# Altium PCB ADAPTONE_PCB_COPY.PcbDoc (part 5 of 11)
Units mil, origin at the board's own origin, x right, y up, seen from the top; angles counter-clockwise.
Board outline 10236.22 x 6701.71 mil, 4 copper layers (Top Layer, GND, Internal Plane 2, Bottom Layer), stack 30.2 mil thick; 1794 components, 935 nets, 4745 pads, 575 vias.
Unrouted connection lines stored in the file: 997.
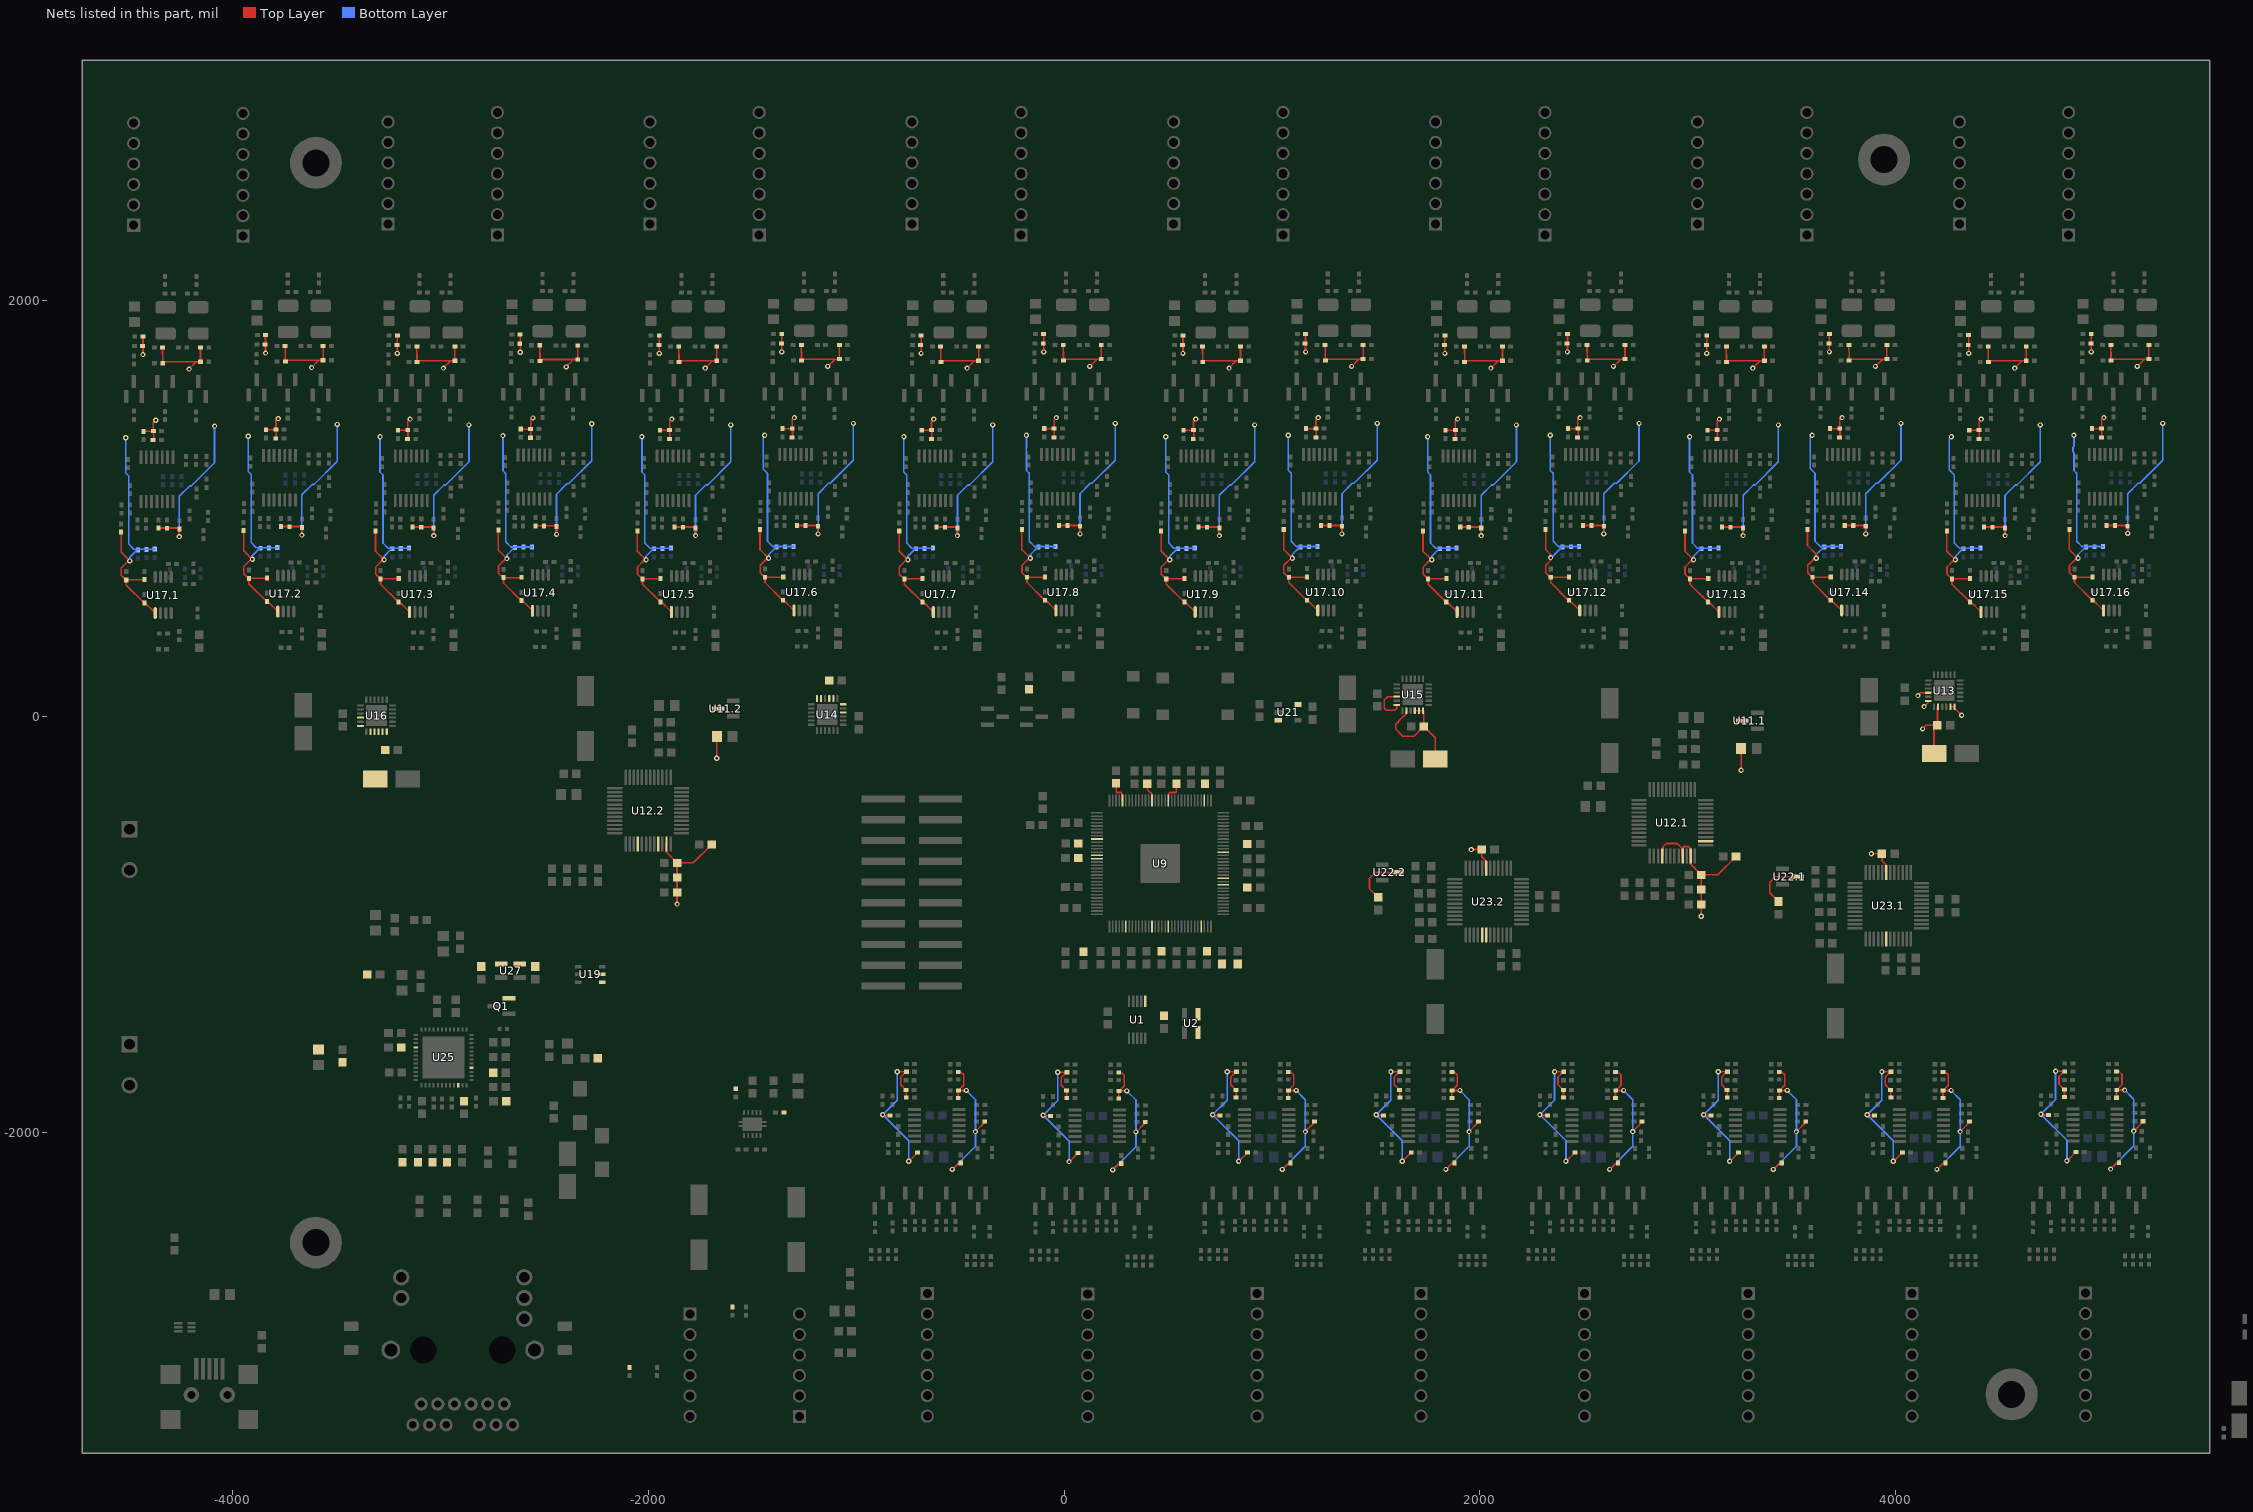
[diagram p7: the nets of this part, all layers, seen from the top]

## Via types
v1: diameter 25, hole 12, Top Layer to Bottom Layer, 566 vias
v2: diameter 19.68, hole 7.87, Top Layer to Bottom Layer, 9 vias

## Nets (pads, with @x,y where several pads share a name; then routed paths per layer and width w, separated by ;. In a path a pad name is that pad's centre, name@x,y a point inside that pad or via, vN(x,y) a via of type N, cw(c..) or ccw(c..) an arc to the next point about the centre after c; other vN are vias at no path point) (continued)
+2V5: C11.1 C13.2 C63.1.2 C63.2.2 C63.3.2 C63.4.2 C63.5.2 C63.6.2 C63.7.2 C63.8.2 C63.9.2 C63.10.2 C63.11.2 C63.12.2 C63.13.2 C63.14.2 C63.15.2 C63.16.2 C65.1.2 C65.2.2 C65.3.2 C65.4.2 C65.5.2 C65.6.2 C65.7.2 C65.8.2 C65.9.2 C65.10.2 C65.11.2 C65.12.2 C65.13.2 C65.14.2 C65.15.2 C65.16.2 C73.1.1 C73.2.1 C73.3.1 C73.4.1 C73.5.1 C73.6.1 C73.7.1 C73.8.1 C73.9.1 C73.10.1 C73.11.1 C73.12.1 C73.13.1 C73.14.1 C73.15.1 C73.16.1 C74.1.2 C74.2.2 C74.3.2 C74.4.2 C74.5.2 C74.6.2 C74.7.2 C74.8.2 C74.9.2 C74.10.2 C74.11.2 C74.12.2 C74.13.2 C74.14.2 C74.15.2 C74.16.2 C76.1.1 C76.2.1 C76.3.1 C76.4.1 C76.5.1 C76.6.1 C76.7.1 C76.8.1 C76.9.1 C76.10.1 C76.11.1 C76.12.1 C76.13.1 C76.14.1 C76.15.1 C76.16.1 C77.1.1 C77.2.1 C77.3.1 C77.4.1 C77.5.1 C77.6.1 C77.7.1 C77.8.1 C77.9.1 C77.10.1 C77.11.1 C77.12.1 C77.13.1 C77.14.1 C77.15.1 C77.16.1 C78.1.1 C78.2.1 C78.3.1 C78.4.1 C78.5.1 C78.6.1 C78.7.1 C78.8.1 C78.9.1 C78.10.1 C78.11.1 C78.12.1 C78.13.1 C78.14.1 C78.15.1 C78.16.1 C81.1.1 C81.2.1 C81.3.1 C81.4.1 C81.5.1 C81.6.1 C81.7.1 C81.8.1 C81.9.1 C81.10.1 C81.11.1 C81.12.1 C81.13.1 C81.14.1 C81.15.1 C81.16.1 C84.1.2 C84.2.2 C84.3.2 C84.4.2 C84.5.2 C84.6.2 C84.7.2 C84.8.2 C84.9.2 C84.10.2 C84.11.2 C84.12.2 C84.13.2 C84.14.2 C84.15.2 C84.16.2 C140.1.2 C140.2.2 C140.3.2 C140.4.2 C140.5.2 C140.6.2 C140.7.2 C140.8.2 C147.1.2 C147.2.2 C147.3.2 C147.4.2 C147.5.2 C147.6.2 C147.7.2 C147.8.2 R34.1.1 R34.2.1 R34.3.1 R34.4.1 R34.5.1 R34.6.1 R34.7.1 R34.8.1 R34.9.1 R34.10.1 R34.11.1 R34.12.1 R34.13.1 R34.14.1 R34.15.1 R34.16.1 R38.1.2 R38.2.2 R38.3.2 R38.4.2 R38.5.2 R38.6.2 R38.7.2 R38.8.2 R38.9.2 R38.10.2 R38.11.2 R38.12.2 R38.13.2 R38.14.2 R38.15.2 R38.16.2 R41.1.1 R41.2.1 R41.3.1 R41.4.1 R41.5.1 R41.6.1 R41.7.1 R41.8.1 R41.9.1 R41.10.1 R41.11.1 R41.12.1 R41.13.1 R41.14.1 R41.15.1 R41.16.1 R42.1.1 R42.2.1 R42.3.1 R42.4.1 R42.5.1 R42.6.1 R42.7.1 R42.8.1 R42.9.1 R42.10.1 R42.11.1 R42.12.1 R42.13.1 R42.14.1 R42.15.1 R42.16.1 R48.1.2 R48.2.2 R48.3.2 R48.4.2 R48.5.2 R48.6.2 R48.7.2 R48.8.2 R48.9.2 R48.10.2 R48.11.2 R48.12.2 R48.13.2 R48.14.2 R48.15.2 R48.16.2 R49.1.2 R49.2.2 R49.3.2 R49.4.2 R49.5.2 R49.6.2 R49.7.2 R49.8.2 R49.9.2 R49.10.2 R49.11.2 R49.12.2 R49.13.2 R49.14.2 R49.15.2 R49.16.2 R55.1.1 R55.2.1 R55.3.1 R55.4.1 R55.5.1 R55.6.1 R55.7.1 R55.8.1 R55.9.1 R55.10.1 R55.11.1 R55.12.1 R55.13.1 R55.14.1 R55.15.1 R55.16.1 R56.1.2 R56.2.2 R56.3.2 R56.4.2 R56.5.2 R56.6.2 R56.7.2 R56.8.2 R56.9.2 R56.10.2 R56.11.2 R56.12.2 R56.13.2 R56.14.2 R56.15.2 R56.16.2 R59.1.2 R59.2.2 R59.3.2 R59.4.2 R59.5.2 R59.6.2 R59.7.2 R59.8.2 R59.9.2 R59.10.2 R59.11.2 R59.12.2 R59.13.2 R59.14.2 R59.15.2 R59.16.2 R62.1.1 R62.2.1 R62.3.1 R62.4.1 R62.5.1 R62.6.1 R62.7.1 R62.8.1 R62.9.1 R62.10.1 R62.11.1 R62.12.1 R62.13.1 R62.14.1 R62.15.1 R62.16.1 R84.1.2 R84.2.2 R84.3.2 R84.4.2 R84.5.2 R84.6.2 R84.7.2 R84.8.2 R88.1.1 R88.2.1 R88.3.1 R88.4.1 R88.5.1 R88.6.1 R88.7.1 R88.8.1 R89.1.1 R89.2.1 R89.3.1 R89.4.1 R89.5.1 R89.6.1 R89.7.1 R89.8.1 R94.1.2 R94.2.2 R94.3.2 R94.4.2 R94.5.2 R94.6.2 R94.7.2 R94.8.2 R98.1.2 R98.2.2 R98.3.2 R98.4.2 R98.5.2 R98.6.2 R98.7.2 R98.8.2 R102.1.1 R102.2.1 R102.3.1 R102.4.1 R102.5.1 R102.6.1 R102.7.1 R102.8.1 R103.1.1 R103.2.1 R103.3.1 R103.4.1 R103.5.1 R103.6.1 R103.7.1 R103.8.1 R108.1.2 R108.2.2 R108.3.2 R108.4.2 R108.5.2 R108.6.2 R108.7.2 R108.8.2 R129.2 R131.2 R132.2 R134.2 TP11.1 TP11.2 U5.1 U17.1.5 U17.2.5 U17.3.5 U17.4.5 U17.5.5 U17.6.5 U17.7.5 U17.8.5 U17.9.5 U17.10.5 U17.11.5 U17.12.5 U17.13.5 U17.14.5 U17.15.5 U17.16.5 | length 55214.1
  Top Layer w8: R41.1.1@-4536.55,887.35 -4536.55,791 v1(-4494.91,749.36) -4501.37,749.36 -4535.84,714.89 -4535.84,679.67 -4514.08,657.91 R34.1.1@-4512,657.91 ; v1(-4431.45,1741.76) C84.1.2@-4431.45,1828.03 ; R42.1.1@-4429.03,554.72 U17.1.5@-4372.41,498.1 ; R55.1.1@-4428.55,1372.46 -4382.55,1372.46 R48.1.2@-4381.24,1373.78 ; R42.1.1@-4424.84,547.23 -4426.92,547.23 -4512,632.31 R34.1.1@-4512,657.91 ; C63.1.2@-4424.55,659.72 -4426.36,657.91 R34.1.1@-4512,657.91 ; C73.1.1@-4380.24,1332.78 -4380.24,1372.78 R48.1.2@-4381.24,1373.78 ; v1(-4370.44,1426.03) -4373.3,1426.03 -4381.24,1418.09 R48.1.2@-4381.24,1373.78 ; R62.1.1@-4357.55,907.03 R56.1.2@-4260.55,907.03 ; C74.1.2@-4337.36,1776.03 -4336.43,1708.55 -4337.1,1709.21 R49.1.2@-4336.31,1699.91 -4329.19,1707.03 -4174.88,1707.03 ; v1(-4256.55,866.03) R56.1.2@-4256.55,903.03 ; v1(-4210,1671.91) -4174.88,1707.03 ; C65.1.2@-4154.53,1775.04 R38.1.2@-4154.53,1707.03 -4174.88,1707.03 ; R41.2.1@-3946.88,894.82 -3946.88,798.48 v1(-3905.24,756.84) -3911.7,756.84 -3946.17,722.37 -3946.17,687.15 -3924.41,665.39 R34.2.1@-3922.33,665.39 ; v1(-3841.78,1749.23) C84.2.2@-3841.78,1835.51 ; R42.2.1@-3839.35,562.2 U17.2.5@-3782.74,505.58 ; R55.2.1@-3838.88,1379.94 -3792.88,1379.94 R48.2.2@-3791.57,1381.25 ; R42.2.1@-3835.16,554.7 -3837.25,554.7 -3922.33,639.78 R34.2.1@-3922.33,665.39 ; C63.2.2@-3834.88,667.2 -3836.69,665.39 R34.2.1@-3922.33,665.39 ; C73.2.1@-3790.57,1340.25 -3790.57,1380.25 R48.2.2@-3791.57,1381.25 ; v1(-3780.77,1433.51) -3783.63,1433.51 -3791.57,1425.57 R48.2.2@-3791.57,1381.25 ; R62.2.1@-3767.88,914.51 R56.2.2@-3670.88,914.51 ; C74.2.2@-3747.69,1783.51 -3746.76,1716.02 -3747.43,1716.69 R49.2.2@-3746.64,1707.39 -3739.52,1714.51 -3585.21,1714.51 ; v1(-3666.88,873.51) R56.2.2@-3666.88,910.51 ; v1(-3620.33,1679.39) -3585.21,1714.51 ; C65.2.2@-3564.85,1782.52 R38.2.2@-3564.85,1714.51 -3585.21,1714.51 ; R41.3.1@-3312.97,892.49 -3312.97,796.14 v1(-3271.33,754.5) -3277.79,754.5 -3312.26,720.03 -3312.26,684.81 -3290.5,663.05 R34.3.1@-3288.42,663.05 ; v1(-3207.87,1746.9) C84.3.2@-3207.87,1833.17 ; R42.3.1@-3205.44,559.86 U17.3.5@-3148.83,503.24 ; R55.3.1@-3204.97,1377.6 -3158.97,1377.6 R48.3.2@-3157.66,1378.92 ; R42.3.1@-3201.25,552.36 -3203.34,552.36 -3288.42,637.45 R34.3.1@-3288.42,663.05 ; C63.3.2@-3200.97,664.86 -3202.78,663.05 R34.3.1@-3288.42,663.05 ; C73.3.1@-3156.66,1337.92 -3156.66,1377.92 R48.3.2@-3157.66,1378.92 ; v1(-3146.86,1431.17) -3149.72,1431.17 -3157.66,1423.23 R48.3.2@-3157.66,1378.92 ; R62.3.1@-3133.97,912.17 R56.3.2@-3036.97,912.17 ; C74.3.2@-3113.78,1781.17 -3112.85,1713.69 -3113.52,1714.35 R49.3.2@-3112.73,1705.05 -3105.61,1712.17 -2951.3,1712.17 ; v1(-3032.97,871.17) R56.3.2@-3032.97,908.17 ; v1(-2986.42,1677.05) -2951.3,1712.17 ; C65.3.2@-2930.94,1780.18 R38.3.2@-2930.94,1712.17 -2951.3,1712.17 ; R41.4.1@-2721.94,898.08 -2721.94,801.73 v1(-2680.3,760.09) -2686.76,760.09 -2721.23,725.62 -2721.23,690.4 -2699.47,668.64 R34.4.1@-2697.39,668.64 ; v1(-2616.83,1752.49) C84.4.2@-2616.83,1838.76 ; R42.4.1@-2614.41,565.45 U17.4.5@-2557.8,508.83 ; R55.4.1@-2613.94,1383.19 -2567.94,1383.19 R48.4.2@-2566.63,1384.51 ; R42.4.1@-2610.22,557.96 -2612.31,557.96 -2697.39,643.04 R34.4.1@-2697.39,668.64 ; C63.4.2@-2609.94,670.45 -2611.75,668.64 R34.4.1@-2697.39,668.64 ; C73.4.1@-2565.63,1343.51 -2565.63,1383.51 R48.4.2@-2566.63,1384.51 ; v1(-2555.83,1436.76) -2558.68,1436.76 -2566.63,1428.82 R48.4.2@-2566.63,1384.51 ; R62.4.1@-2542.94,917.76 R56.4.2@-2445.94,917.76 ; C74.4.2@-2522.75,1786.76 -2521.82,1719.28 -2522.48,1719.94 R49.4.2@-2521.7,1710.64 -2514.58,1717.76 -2360.26,1717.76 ; v1(-2441.94,876.76) R56.4.2@-2441.94,913.76 ; v1(-2395.39,1682.64) -2360.26,1717.76 ; C65.4.2@-2339.91,1785.77 R38.4.2@-2339.91,1717.76 -2360.26,1717.76 ; R41.5.1@-2053.13,892.49 -2053.13,796.14 v1(-2011.49,754.5) -2017.95,754.5 -2052.42,720.03 -2052.42,684.81 -2030.66,663.05 R34.5.1@-2028.58,663.05 ; v1(-1948.02,1746.9) C84.5.2@-1948.02,1833.17 ; R42.5.1@-1945.6,559.86 U17.5.5@-1888.99,503.24 ; R55.5.1@-1945.13,1377.6 -1899.13,1377.6 R48.5.2@-1897.82,1378.92 ; R42.5.1@-1941.41,552.36 -1943.49,552.36 -2028.58,637.45 R34.5.1@-2028.58,663.05 ; C63.5.2@-1941.13,664.86 -1942.94,663.05 R34.5.1@-2028.58,663.05 ; C73.5.1@-1896.82,1337.92 -1896.82,1377.92 R48.5.2@-1897.82,1378.92 ; v1(-1887.02,1431.17) -1889.87,1431.17 -1897.82,1423.23 R48.5.2@-1897.82,1378.92 ; R62.5.1@-1874.13,912.17 R56.5.2@-1777.13,912.17 ; C74.5.2@-1853.94,1781.17 -1853.01,1713.69 -1853.67,1714.35 R49.5.2@-1852.89,1705.05 -1845.77,1712.17 -1691.45,1712.17 ; v1(-1773.13,871.17) R56.5.2@-1773.13,908.17 ; v1(-1726.58,1677.05) -1691.45,1712.17 ; C65.5.2@-1671.1,1780.18 R38.5.2@-1671.1,1712.17 -1691.45,1712.17 ; R41.6.1@-1463.46,899.96 -1463.46,803.61 v1(-1421.82,761.97) -1428.28,761.97 -1462.75,727.51 -1462.75,692.29 -1440.99,670.53 R34.6.1@-1438.9,670.53 ; v1(-1358.35,1754.37) C84.6.2@-1358.35,1840.65 ; R42.6.1@-1355.93,567.33 U17.6.5@-1299.32,510.72 ; R55.6.1@-1355.46,1385.08 -1309.46,1385.08 R48.6.2@-1308.14,1386.39 ; R42.6.1@-1351.74,559.84 -1353.82,559.84 -1438.9,644.92 R34.6.1@-1438.9,670.53 ; C63.6.2@-1351.46,672.33 -1353.26,670.53 R34.6.1@-1438.9,670.53 ; C73.6.1@-1307.14,1345.39 -1307.14,1385.39 R48.6.2@-1308.14,1386.39 ; v1(-1297.35,1438.65) -1300.2,1438.65 -1308.14,1430.71 R48.6.2@-1308.14,1386.39 ; R62.6.1@-1284.46,919.65 R56.6.2@-1187.46,919.65 ; C74.6.2@-1264.26,1788.65 -1263.34,1721.16 -1264,1721.83 R49.6.2@-1263.22,1712.53 -1256.1,1719.65 -1101.78,1719.65 ; v1(-1183.46,878.65) R56.6.2@-1183.46,915.65 ; v1(-1136.9,1684.53) -1101.78,1719.65 ; C65.6.2@-1081.43,1787.66 R38.6.2@-1081.43,1719.65 -1101.78,1719.65 ; v1(-873.39,-1915.28) -870.21,-1918.46 R84.1.2@-837.76,-1918.46 ; v1(-803.08,-1708.46) R88.1.1@-761.22,-1708.46 ; R41.7.1@-793.29,892.49 -793.29,796.14 v1(-751.65,754.5) -758.11,754.5 -792.58,720.03 -792.58,684.81 -770.82,663.05 R34.7.1@-768.73,663.05 ; R89.1.1@-759.76,-1832.46 -759.76,-1797.46 C140.1.2@-760.76,-1796.46 -786.57,-1770.65 -786.57,-1733.82 R88.1.1@-761.22,-1708.46 ; R88.1.1@-758.76,-1708.46 R88.1.1@-761.22,-1708.46 ; v1(-748.08,-2138.46) -746.79,-2138.46 R94.1.2@-704.76,-2096.43 ; v1(-688.18,1746.9) C84.7.2@-688.18,1833.17 ; R42.7.1@-685.76,559.86 U17.7.5@-629.14,503.24 ; R55.7.1@-685.29,1377.6 -639.29,1377.6 R48.7.2@-637.97,1378.92 ; R42.7.1@-681.57,552.36 -683.65,552.36 -768.73,637.45 R34.7.1@-768.73,663.05 ; C63.7.2@-681.29,664.86 -683.09,663.05 R34.7.1@-768.73,663.05 ; C73.7.1@-636.97,1337.92 -636.97,1377.92 R48.7.2@-637.97,1378.92 ; v1(-627.18,1431.17) -630.03,1431.17 -637.97,1423.23 R48.7.2@-637.97,1378.92 ; R62.7.1@-614.29,912.17 R56.7.2@-517.29,912.17 ; C74.7.2@-594.09,1781.17 -593.17,1713.69 -593.83,1714.35 R49.7.2@-593.05,1705.05 -585.93,1712.17 -431.61,1712.17 ; v1(-538.08,-2178.46) -507.76,-2148.15 R108.1.2@-497.51,-2148.15 ; v1(-513.29,871.17) R56.7.2@-513.29,908.17 ; R103.1.1@-509.39,-1835.46 -509.39,-1799.46 C147.1.2@-508.39,-1798.46 ; R102.1.1@-509.39,-1709.46 -497.51,-1709.46 -483.58,-1723.39 -483.58,-1773.65 C147.1.2@-508.39,-1798.46 ; v1(-470.61,-1798.46) C147.1.2@-508.39,-1798.46 ; v1(-466.73,1677.05) -431.61,1712.17 ; v1(-426.73,-1995.98) -382.01,-1951.26 R98.1.2@-382.01,-1948.46 ; C65.7.2@-411.26,1780.18 R38.7.2@-411.26,1712.17 -431.61,1712.17 ; R41.8.1@-203.62,899.96 -203.62,803.61 v1(-161.98,761.97) -168.44,761.97 -202.9,727.51 -202.9,692.29 -181.14,670.53 R34.8.1@-179.06,670.53 ; v1(-101.31,-1917.36) -98.13,-1920.54 R84.2.2@-65.69,-1920.54 ; v1(-98.51,1754.37) C84.8.2@-98.51,1840.65 ; R42.8.1@-96.09,567.33 U17.8.5@-39.47,510.72 ; R55.8.1@-95.62,1385.08 -49.62,1385.08 R48.8.2@-48.3,1386.39 ; R42.8.1@-91.9,559.84 -93.98,559.84 -179.06,644.92 R34.8.1@-179.06,670.53 ; C63.8.2@-91.62,672.33 -93.42,670.53 R34.8.1@-179.06,670.53 ; C73.8.1@-47.3,1345.39 -47.3,1385.39 R48.8.2@-48.3,1386.39 ; v1(-37.5,1438.65) -40.36,1438.65 -48.3,1430.71 R48.8.2@-48.3,1386.39 ; v1(-31,-1710.54) R88.2.1@10.86,-1710.54 ; R62.8.1@-24.62,919.65 R56.8.2@72.38,919.65 ; C74.8.2@-4.42,1788.65 -3.49,1721.16 -4.16,1721.83 R49.8.2@-3.38,1712.53 3.75,1719.65 158.06,1719.65 ; R89.2.1@12.32,-1834.54 12.32,-1799.54 C140.2.2@11.31,-1798.54 -14.5,-1772.73 -14.5,-1735.9 R88.2.1@10.86,-1710.54 ; R88.2.1@13.32,-1710.54 R88.2.1@10.86,-1710.54 ; v1(24,-2140.54) 25.28,-2140.54 R94.2.2@67.31,-2098.51 ; v1(76.38,878.65) R56.8.2@76.38,915.65 ; v1(122.94,1684.53) 158.06,1719.65 ; C65.8.2@178.41,1787.66 R38.8.2@178.41,1719.65 158.06,1719.65 ; v1(234,-2180.54) 264.31,-2150.23 R108.2.2@274.57,-2150.23 ; R103.2.1@262.69,-1837.54 262.69,-1801.54 C147.2.2@263.69,-1800.54 ; R102.2.1@262.69,-1711.54 274.57,-1711.54 288.5,-1725.47 288.5,-1775.73 C147.2.2@263.69,-1800.54 ; v1(301.47,-1800.54) C147.2.2@263.69,-1800.54 ; v1(345.34,-1998.06) 390.07,-1953.34 R98.2.2@390.07,-1950.54 ; R41.9.1@466.56,892.49 466.56,796.14 v1(508.19,754.5) 501.74,754.5 467.27,720.03 467.27,684.81 489.03,663.05 R34.9.1@491.11,663.05 ; v1(571.66,1746.9) C84.9.2@571.66,1833.17 ; R42.9.1@574.08,559.86 U17.9.5@630.7,503.24 ; R55.9.1@574.56,1377.6 620.56,1377.6 R48.9.2@621.87,1378.92 ; R42.9.1@578.27,552.36 576.19,552.36 491.11,637.45 R34.9.1@491.11,663.05 ; C63.9.2@578.56,664.86 576.75,663.05 R34.9.1@491.11,663.05 ; C73.9.1@622.87,1337.92 622.87,1377.92 R48.9.2@621.87,1378.92 ; v1(632.67,1431.17) 629.81,1431.17 621.87,1423.23 R48.9.2@621.87,1378.92 ; R62.9.1@645.56,912.17 R56.9.2@742.56,912.17 ; C74.9.2@665.75,1781.17 666.68,1713.69 666.01,1714.35 R49.9.2@666.79,1705.05 673.92,1712.17 828.23,1712.17 ; v1(713.86,-1915.28) 717.04,-1918.46 R84.3.2@749.49,-1918.46 ; v1(746.56,871.17) R56.9.2@746.56,908.17 ; v1(784.18,-1708.46) R88.3.1@826.04,-1708.46 ; v1(793.11,1677.05) 828.23,1712.17 ; R89.3.1@827.49,-1832.46 827.49,-1797.46 C140.3.2@826.49,-1796.46 800.68,-1770.65 800.68,-1733.82 R88.3.1@826.04,-1708.46 ; R88.3.1@828.49,-1708.46 R88.3.1@826.04,-1708.46 ; v1(839.18,-2138.46) 840.46,-2138.46 R94.3.2@882.49,-2096.43 ; C65.9.2@848.58,1780.18 R38.9.2@848.58,1712.17 828.23,1712.17 ; v1(1049.18,-2178.46) 1079.49,-2148.15 R108.3.2@1089.74,-2148.15 ; R41.10.1@1056.23,899.96 1056.23,803.61 v1(1097.87,761.97) 1091.41,761.97 1056.94,727.51 1056.94,692.29 1078.7,670.53 R34.10.1@1080.78,670.53 ; R103.3.1@1077.86,-1835.46 1077.86,-1799.46 C147.3.2@1078.86,-1798.46 ; R102.3.1@1077.86,-1709.46 1089.74,-1709.46 1103.67,-1723.39 1103.67,-1773.65 C147.3.2@1078.86,-1798.46 ; v1(1116.64,-1798.46) C147.3.2@1078.86,-1798.46 ; v1(1160.52,-1995.98) 1205.24,-1951.26 R98.3.2@1205.24,-1948.46 ; v1(1161.33,1754.37) C84.10.2@1161.33,1840.65 ; R42.10.1@1163.76,567.33 U17.10.5@1220.37,510.72 ; R55.10.1@1164.23,1385.08 1210.23,1385.08 R48.10.2@1211.54,1386.39 ; R42.10.1@1167.95,559.84 1165.86,559.84 1080.78,644.92 R34.10.1@1080.78,670.53 ; C63.10.2@1168.23,672.33 1166.42,670.53 R34.10.1@1080.78,670.53 ; C73.10.1@1212.54,1345.39 1212.54,1385.39 R48.10.2@1211.54,1386.39 ; v1(1222.34,1438.65) 1219.48,1438.65 1211.54,1430.71 R48.10.2@1211.54,1386.39 ; R62.10.1@1235.23,919.65 R56.10.2@1332.23,919.65 ; C74.10.2@1255.42,1788.65 1256.35,1721.16 1255.68,1721.83 R49.10.2@1256.47,1712.53 1263.59,1719.65 1417.9,1719.65 ; v1(1336.23,878.65) R56.10.2@1336.23,915.65 ; v1(1382.78,1684.53) 1417.9,1719.65 ; C65.10.2@1438.25,1787.66 R38.10.2@1438.25,1719.65 1417.9,1719.65 ; v1(1501.26,-1915.28) 1504.44,-1918.46 R84.4.2@1536.89,-1918.46 ; v1(1571.58,-1708.46) R88.4.1@1613.44,-1708.46 ; R89.4.1@1614.89,-1832.46 1614.89,-1797.46 C140.4.2@1613.89,-1796.46 1588.08,-1770.65 1588.08,-1733.82 R88.4.1@1613.44,-1708.46 ; R88.4.1@1615.89,-1708.46 R88.4.1@1613.44,-1708.46 ; v1(1626.58,-2138.46) 1627.86,-2138.46 R94.4.2@1669.89,-2096.43 ; R41.11.1@1726.4,892.49 1726.4,796.14 v1(1768.04,754.5) 1761.58,754.5 1727.11,720.03 1727.11,684.81 1748.87,663.05 R34.11.1@1750.95,663.05 ; v1(1831.5,1746.9) C84.11.2@1831.5,1833.17 ; R42.11.1@1833.93,559.86 U17.11.5@1890.54,503.24 ; R55.11.1@1834.4,1377.6 1880.4,1377.6 R48.11.2@1881.71,1378.92 ; v1(1836.58,-2178.46) 1866.89,-2148.15 R108.4.2@1877.14,-2148.15 ; R42.11.1@1838.12,552.36 1836.03,552.36 1750.95,637.45 R34.11.1@1750.95,663.05 ; C63.11.2@1838.4,664.86 1836.59,663.05 R34.11.1@1750.95,663.05 ; R103.4.1@1865.26,-1835.46 1865.26,-1799.46 C147.4.2@1866.26,-1798.46 ; R102.4.1@1865.26,-1709.46 1877.14,-1709.46 1891.07,-1723.39 1891.07,-1773.65 C147.4.2@1866.26,-1798.46 ; C73.11.1@1882.71,1337.92 1882.71,1377.92 R48.11.2@1881.71,1378.92 ; v1(1892.51,1431.17) 1889.65,1431.17 1881.71,1423.23 R48.11.2@1881.71,1378.92 ; v1(1904.04,-1798.46) C147.4.2@1866.26,-1798.46 ; R62.11.1@1905.4,912.17 R56.11.2@2002.4,912.17 ; C74.11.2@1925.59,1781.17 1926.52,1713.69 1925.85,1714.35 R49.11.2@1926.64,1705.05 1933.76,1712.17 2088.07,1712.17 ; v1(1947.92,-1995.98) 1992.64,-1951.26 R98.4.2@1992.64,-1948.46 ; v1(2006.4,871.17) R56.11.2@2006.4,908.17 ; v1(2052.95,1677.05) 2088.07,1712.17 ; C65.11.2@2108.43,1780.18 R38.11.2@2108.43,1712.17 2088.07,1712.17 ; v1(2288.66,-1915.28) 2291.85,-1918.46 R84.5.2@2324.29,-1918.46 ; R41.12.1@2316.07,899.96 2316.07,803.61 2340,779.68 v1(2340,765) 2348.22,765 2340,756.78 2340,750.72 2316.78,727.51 2316.78,692.29 2338.54,670.53 R34.12.1@2340.62,670.53 ; v1(2358.98,-1708.46) R88.5.1@2400.84,-1708.46 ; R89.5.1@2402.29,-1832.46 2402.29,-1797.46 C140.5.2@2401.29,-1796.46 2375.48,-1770.65 2375.48,-1733.82 R88.5.1@2400.84,-1708.46 ; R88.5.1@2403.29,-1708.46 R88.5.1@2400.84,-1708.46 ; v1(2413.98,-2138.46) 2415.26,-2138.46 R94.5.2@2457.29,-2096.43 ; v1(2421.18,1754.37) C84.12.2@2421.18,1840.65 ; R42.12.1@2423.6,567.33 U17.12.5@2480.21,510.72 ; R55.12.1@2424.07,1385.08 2470.07,1385.08 R48.12.2@2471.38,1386.39 ; R42.12.1@2427.79,559.84 2425.71,559.84 2340.62,644.92 R34.12.1@2340.62,670.53 ; C63.12.2@2428.07,672.33 2426.26,670.53 R34.12.1@2340.62,670.53 ; C73.12.1@2472.38,1345.39 2472.38,1385.39 R48.12.2@2471.38,1386.39 ; v1(2482.18,1438.65) 2479.33,1438.65 2471.38,1430.71 R48.12.2@2471.38,1386.39 ; R62.12.1@2495.07,919.65 R56.12.2@2592.07,919.65 ; C74.12.2@2515.26,1788.65 2516.19,1721.16 2515.53,1721.83 R49.12.2@2516.31,1712.53 2523.43,1719.65 2677.75,1719.65 ; v1(2596.07,878.65) R56.12.2@2596.07,915.65 ; v1(2623.98,-2178.46) 2654.29,-2148.15 R108.5.2@2664.54,-2148.15 ; v1(2642.62,1684.53) 2677.75,1719.65 ; R103.5.1@2652.66,-1835.46 2652.66,-1799.46 C147.5.2@2653.66,-1798.46 ; R102.5.1@2652.66,-1709.46 2664.54,-1709.46 2678.48,-1723.39 2678.48,-1773.65 C147.5.2@2653.66,-1798.46 ; v1(2691.45,-1798.46) C147.5.2@2653.66,-1798.46 ; C65.12.2@2698.1,1787.66 R38.12.2@2698.1,1719.65 2677.75,1719.65 ; v1(2735.32,-1995.98) 2780.04,-1951.26 R98.5.2@2780.04,-1948.46 ; R41.13.1@2986.24,892.49 2986.24,796.14 v1(3027.88,754.5) 3021.42,754.5 2986.95,720.03 2986.95,684.81 3008.71,663.05 R34.13.1@3010.79,663.05 ; v1(3076.07,-1915.28) 3079.25,-1918.46 R84.6.2@3111.7,-1918.46 ; v1(3091.35,1746.9) C84.13.2@3091.35,1833.17 ; R42.13.1@3093.77,559.86 U17.13.5@3150.38,503.24 ; R55.13.1@3094.24,1377.6 3140.24,1377.6 R48.13.2@3141.55,1378.92 ; R42.13.1@3097.96,552.36 3095.88,552.36 3010.79,637.45 R34.13.1@3010.79,663.05 ; C63.13.2@3098.24,664.86 3096.43,663.05 R34.13.1@3010.79,663.05 ; C73.13.1@3142.55,1337.92 3142.55,1377.92 R48.13.2@3141.55,1378.92 ; v1(3146.38,-1708.46) R88.6.1@3188.24,-1708.46 ; v1(3152.35,1431.17) 3149.5,1431.17 3141.55,1423.23 R48.13.2@3141.55,1378.92 ; R62.13.1@3165.24,912.17 R56.13.2@3262.24,912.17 ; C74.13.2@3185.43,1781.17 3186.36,1713.69 3185.7,1714.35 R49.13.2@3186.48,1705.05 3193.6,1712.17 3347.92,1712.17 ; R89.6.1@3189.7,-1832.46 3189.7,-1797.46 C140.6.2@3188.7,-1796.46 3162.88,-1770.65 3162.88,-1733.82 R88.6.1@3188.24,-1708.46 ; R88.6.1@3190.7,-1708.46 R88.6.1@3188.24,-1708.46 ; v1(3201.38,-2138.46) 3202.66,-2138.46 R94.6.2@3244.7,-2096.43 ; v1(3266.24,871.17) R56.13.2@3266.24,908.17 ; v1(3312.79,1677.05) 3347.92,1712.17 ; C65.13.2@3368.27,1780.18 R38.13.2@3368.27,1712.17 3347.92,1712.17 ; v1(3411.38,-2178.46) 3441.7,-2148.15 R108.6.2@3451.95,-2148.15 ; R103.6.1@3440.07,-1835.46 3440.07,-1799.46 C147.6.2@3441.07,-1798.46 ; R102.6.1@3440.07,-1709.46 3451.95,-1709.46 3465.88,-1723.39 3465.88,-1773.65 C147.6.2@3441.07,-1798.46 ; v1(3478.85,-1798.46) C147.6.2@3441.07,-1798.46 ; v1(3522.72,-1995.98) 3567.45,-1951.26 R98.6.2@3567.45,-1948.46 ; R41.14.1@3575.91,899.96 3575.91,823.47 3617.55,781.83 v1(3617.55,761.97) 3611.09,761.97 3576.62,727.51 3576.62,692.29 3598.38,670.53 R34.14.1@3600.47,670.53 ; v1(3681.02,1754.37) C84.14.2@3681.02,1840.65 ; R42.14.1@3683.44,567.33 U17.14.5@3740.05,510.72 ; R55.14.1@3683.91,1385.08 3729.91,1385.08 R48.14.2@3731.23,1386.39 ; R42.14.1@3687.63,559.84 3685.55,559.84 3600.47,644.92 R34.14.1@3600.47,670.53 ; C63.14.2@3687.91,672.33 3686.11,670.53 R34.14.1@3600.47,670.53 ; C73.14.1@3732.23,1345.39 3732.23,1385.39 R48.14.2@3731.23,1386.39 ; v1(3742.02,1438.65) 3739.17,1438.65 3731.23,1430.71 R48.14.2@3731.23,1386.39 ; R62.14.1@3754.91,919.65 R56.14.2@3851.91,919.65 ; C74.14.2@3775.11,1788.65 3776.03,1721.16 3775.37,1721.83 R49.14.2@3776.15,1712.53 3783.27,1719.65 3937.59,1719.65 ; v1(3855.91,878.65) R56.14.2@3855.91,915.65 ; v1(3863.47,-1915.28) 3866.65,-1918.46 R84.7.2@3899.1,-1918.46 ; v1(3902.47,1684.53) 3937.59,1719.65 ; v1(3933.78,-1708.46) R88.7.1@3975.65,-1708.46 ; C65.14.2@3957.94,1787.66 R38.14.2@3957.94,1719.65 3937.59,1719.65 ; R89.7.1@3977.1,-1832.46 3977.1,-1797.46 C140.7.2@3976.1,-1796.46 3950.29,-1770.65 3950.29,-1733.82 R88.7.1@3975.65,-1708.46 ; R88.7.1@3978.1,-1708.46 R88.7.1@3975.65,-1708.46 ; v1(3988.78,-2138.46) 3990.07,-2138.46 R94.7.2@4032.1,-2096.43 ; v1(4198.78,-2178.46) 4229.1,-2148.15 R108.7.2@4239.35,-2148.15 ; R103.7.1@4227.47,-1835.46 4227.47,-1799.46 C147.7.2@4228.47,-1798.46 ; R102.7.1@4227.47,-1709.46 4239.35,-1709.46 4253.28,-1723.39 4253.28,-1773.65 C147.7.2@4228.47,-1798.46 ; R41.15.1@4246.08,892.49 4246.08,796.14 v1(4287.72,754.5) 4281.26,754.5 4246.79,720.03 4246.79,684.81 4268.55,663.05 R34.15.1@4270.64,663.05 ; v1(4266.25,-1798.46) C147.7.2@4228.47,-1798.46 ; v1(4310.13,-1995.98) 4354.85,-1951.26 R98.7.2@4354.85,-1948.46 ; v1(4351.19,1746.9) C84.15.2@4351.19,1833.17 ; R42.15.1@4353.61,559.86 U17.15.5@4410.23,503.24 ; R55.15.1@4354.08,1377.6 4400.08,1377.6 R48.15.2@4401.4,1378.92 ; R42.15.1@4357.8,552.36 4355.72,552.36 4270.64,637.45 R34.15.1@4270.64,663.05 ; C63.15.2@4358.08,664.86 4356.28,663.05 R34.15.1@4270.64,663.05 ; C73.15.1@4402.4,1337.92 4402.4,1377.92 R48.15.2@4401.4,1378.92 ; v1(4412.19,1431.17) 4409.34,1431.17 4401.4,1423.23 R48.15.2@4401.4,1378.92 ; R62.15.1@4425.08,912.17 R56.15.2@4522.08,912.17 ; C74.15.2@4445.28,1781.17 4446.2,1713.69 4445.54,1714.35 R49.15.2@4446.32,1705.05 4453.44,1712.17 4607.76,1712.17 ; v1(4526.08,871.17) R56.15.2@4526.08,908.17 ; v1(4572.64,1677.05) 4607.76,1712.17 ; C65.15.2@4628.11,1780.18 R38.15.2@4628.11,1712.17 4607.76,1712.17 ; v1(4698.69,-1913.2) 4701.87,-1916.38 R84.8.2@4734.31,-1916.38 ; v1(4769,-1706.38) R88.8.1@4810.86,-1706.38 ; R89.8.1@4812.32,-1830.38 4812.32,-1795.38 C140.8.2@4811.31,-1794.38 4785.5,-1768.57 4785.5,-1731.74 R88.8.1@4810.86,-1706.38 ; R88.8.1@4813.32,-1706.38 R88.8.1@4810.86,-1706.38 ; v1(4824,-2136.38) 4825.28,-2136.38 R94.8.2@4867.31,-2094.35 ; R41.16.1@4835.75,899.96 4835.75,803.61 v1(4877.39,761.97) 4870.93,761.97 4836.47,727.51 4836.47,692.29 4858.23,670.53 R34.16.1@4860.31,670.53 ; v1(4940.86,1754.37) C84.16.2@4940.86,1840.65 ; R42.16.1@4943.28,567.33 U17.16.5@4999.9,510.72 ; R55.16.1@4943.75,1385.08 4989.75,1385.08 R48.16.2@4991.07,1386.39 ; R42.16.1@4947.47,559.84 4945.39,559.84 4860.31,644.92 R34.16.1@4860.31,670.53 ; C63.16.2@4947.76,672.33 4945.95,670.53 R34.16.1@4860.31,670.53 ; C73.16.1@4992.07,1345.39 4992.07,1385.39 R48.16.2@4991.07,1386.39 ; v1(5001.87,1438.65) 4999.01,1438.65 4991.07,1430.71 R48.16.2@4991.07,1386.39 ; R62.16.1@5014.75,919.65 R56.16.2@5111.75,919.65 ; v1(5034,-2176.38) 5064.31,-2146.06 R108.8.2@5074.57,-2146.06 ; C74.16.2@5034.95,1788.65 5035.88,1721.16 5035.21,1721.83 R49.16.2@5035.99,1712.53 5043.12,1719.65 5197.43,1719.65 ; R103.8.1@5062.69,-1833.38 5062.69,-1797.38 C147.8.2@5063.69,-1796.38 ; R102.8.1@5062.69,-1707.38 5074.57,-1707.38 5088.5,-1721.31 5088.5,-1771.57 C147.8.2@5063.69,-1796.38 ; v1(5101.47,-1796.38) C147.8.2@5063.69,-1796.38 ; R56.16.2@5115.75,915.65 5116.35,915.06 v1(5116.35,881.59) ; v1(5145.34,-1993.9) 5190.07,-1949.17 R98.8.2@5190.07,-1946.38 ; v1(5162.31,1684.53) 5197.43,1719.65 ; C65.16.2@5217.78,1787.66 R38.16.2@5217.78,1719.65 5197.43,1719.65
  Bottom Layer w8: v1(-4514.44,1341.2) -4514.44,1281.87 -4514.5,1281.82 -4514.5,1264.01 -4514.44,1263.95 -4514.44,1171.64 -4500.44,1157.64 -4500.44,830.36 -4475.68,805.6 C78.1.1@-4375,805.6 ; v1(-4494.91,749.36) -4494.91,767 -4459.37,802.55 C76.1.1@-4456.08,802.55 ; v1(-4256.55,866.03) -4256.55,1059.61 -4206.84,1109.32 -4198.61,1109.32 -4087,1220.93 v1@-4087,1396.91 ; v1(-3924.77,1348.68) -3924.77,1289.35 -3924.83,1289.29 -3924.83,1271.48 -3924.77,1271.43 -3924.77,1179.12 -3910.77,1165.12 -3910.77,837.84 -3886.01,813.07 C78.2.1@-3785.33,813.07 ; v1(-3905.24,756.84) -3905.24,774.47 -3869.69,810.02 C76.2.1@-3866.4,810.02 ; v1(-3666.88,873.51) -3666.88,1067.08 -3617.17,1116.79 -3608.94,1116.79 -3497.33,1228.41 v1@-3497.33,1404.39 ; v1(-3290.86,1346.34) -3290.86,1287.01 -3290.92,1286.96 -3290.92,1269.14 -3290.86,1269.09 -3290.86,1176.78 -3276.86,1162.78 -3276.86,835.5 -3252.1,810.73 C78.3.1@-3151.42,810.73 ; v1(-3271.33,754.5) -3271.33,772.13 -3235.78,807.68 C76.3.1@-3232.49,807.68 ; v1(-3032.97,871.17) -3032.97,1064.75 -2983.26,1114.46 -2975.03,1114.46 -2863.42,1226.07 v1@-2863.42,1402.05 ; v1(-2699.83,1351.93) -2699.83,1292.6 -2699.89,1292.55 -2699.89,1274.73 -2699.83,1274.68 -2699.83,1182.37 -2685.83,1168.37 -2685.83,841.09 -2661.07,816.32 C78.4.1@-2560.39,816.32 ; v1(-2680.3,760.09) -2680.3,777.72 -2644.75,813.27 C76.4.1@-2641.46,813.27 ; v1(-2441.94,876.76) -2441.94,1070.34 -2392.23,1120.05 -2384,1120.05 -2272.39,1231.66 v1@-2272.39,1407.64 ; v1(-2031.02,1346.34) -2031.02,1287.01 -2031.08,1286.96 -2031.08,1269.14 -2031.02,1269.09 -2031.02,1176.78 -2017.02,1162.78 -2017.02,835.5 -1992.26,810.73 C78.5.1@-1891.58,810.73 ; v1(-2011.49,754.5) -2011.49,772.13 -1975.94,807.68 C76.5.1@-1972.65,807.68 ; v1(-1773.13,871.17) -1773.13,1064.75 -1723.42,1114.46 -1715.19,1114.46 -1603.58,1226.07 v1@-1603.58,1402.05 ; v1(-1441.35,1353.81) -1448,1347.16 -1448,1190.91 -1427.35,1170.25 -1427.35,842.97 -1402.58,818.21 C78.6.1@-1301.9,818.21 ; v1(-1421.82,761.97) -1421.82,779.61 -1386.27,815.16 C76.6.1@-1382.98,815.16 ; v1(-1183.46,878.65) -1183.46,1072.22 -1133.75,1121.93 -1125.52,1121.93 -1013.9,1233.54 v1@-1013.9,1409.53 ; v1(-803.08,-1708.46) -803.08,-1844.96 v1(-873.39,-1915.28) -748.08,-2040.59 v1(-748.08,-2138.46) ; v1(-771.18,1346.34) -771.18,1287.01 -771.23,1286.96 -771.23,1269.14 -771.18,1269.09 -771.18,1176.78 -757.18,1162.78 -757.18,835.5 -732.41,810.73 C78.7.1@-631.73,810.73 ; v1(-751.65,754.5) -751.65,772.13 -716.1,807.68 C76.7.1@-712.81,807.68 ; v1(-538.08,-2178.46) -426.73,-2067.12 v1(-426.73,-1995.98) -426.73,-1842.34 v1(-470.61,-1798.46) ; v1(-513.29,871.17) -513.29,1064.75 -463.58,1114.46 -455.35,1114.46 -343.73,1226.07 v1@-343.73,1402.05 ; v1(-181.5,1353.81) -181.5,1294.49 -181.56,1294.43 -181.56,1276.62 -181.5,1276.56 -181.5,1184.25 -167.5,1170.25 -167.5,842.97 -142.74,818.21 C78.8.1@-42.06,818.21 ; v1(-161.98,761.97) -161.98,779.61 -126.43,815.16 C76.8.1@-123.14,815.16 ; v1(-31,-1710.54) -31,-1847.05 v1(-101.31,-1917.36) 24,-2042.68 v1(24,-2140.54) ; v1(76.38,878.65) 76.38,1072.22 126.09,1121.93 134.33,1121.93 245.94,1233.54 v1@245.94,1409.53 ; v1(234,-2180.54) 345.34,-2069.2 v1(345.34,-1998.06) 345.34,-1844.42 v1(301.47,-1800.54) ; v1(488.67,1346.34) 488.67,1287.01 488.61,1286.96 488.61,1269.14 488.67,1269.09 488.67,1176.78 502.67,1162.78 502.67,835.5 527.43,810.73 C78.9.1@628.11,810.73 ; v1(508.19,754.5) 508.19,772.13 543.74,807.68 C76.9.1@547.03,807.68 ; v1(746.56,871.17) 746.56,1064.75 796.26,1114.46 804.5,1114.46 916.11,1226.07 v1@916.11,1402.05 ; v1(784.18,-1708.46) 784.18,-1844.96 v1(713.86,-1915.28) 839.18,-2040.59 v1(839.18,-2138.46) ; v1(1049.18,-2178.46) 1160.52,-2067.12 v1(1160.52,-1995.98) 1160.52,-1842.34 v1(1116.64,-1798.46) ; v1(1078.34,1353.81) 1078.34,1294.49 1078.28,1294.43 1078.28,1276.62 1078.34,1276.56 1078.34,1184.25 1092.34,1170.25 1092.34,842.97 1117.1,818.21 C78.10.1@1217.78,818.21 ; v1(1097.87,761.97) 1097.87,779.61 1133.42,815.16 C76.10.1@1136.71,815.16 ; v1(1336.23,878.65) 1336.23,1072.22 1385.94,1121.93 1394.17,1121.93 1505.78,1233.54 v1@1505.78,1409.53 ; v1(1571.58,-1708.46) 1571.58,-1844.96 v1(1501.26,-1915.28) 1626.58,-2040.59 v1(1626.58,-2138.46) ; v1(1748.51,1346.34) 1748.51,1287.01 1748.45,1286.96 1748.45,1269.14 1748.51,1269.09 1748.51,1176.78 1762.51,1162.78 1762.51,835.5 1787.27,810.73 C78.11.1@1887.95,810.73 ; v1(1768.04,754.5) 1768.04,772.13 1803.59,807.68 C76.11.1@1806.88,807.68 ; v1(1836.58,-2178.46) 1947.92,-2067.12 v1(1947.92,-1995.98) 1947.92,-1842.34 v1(1904.04,-1798.46) ; v1(2006.4,871.17) 2006.4,1064.75 2056.11,1114.46 2064.34,1114.46 2175.95,1226.07 v1@2175.95,1402.05 ; v1(2338.18,1353.81) 2338.18,1294.49 2338.12,1294.43 2338.12,1276.62 2338.18,1276.56 2338.18,1184.25 2352.18,1170.25 2352.18,842.97 2376.94,818.21 C78.12.1@2477.62,818.21 ; v1(2340,765) 2343.1,765 2393.26,815.16 C76.12.1@2396.55,815.16 ; v1(2358.98,-1708.46) 2358.98,-1844.96 v1(2288.66,-1915.28) 2413.98,-2040.59 v1(2413.98,-2138.46) ; v1(2596.07,878.65) 2596.07,1072.22 2645.78,1121.93 2657.66,1121.93 2765.62,1229.89 v1@2765.62,1409.53 ; v1(2623.98,-2178.46) 2735.32,-2067.12 v1(2735.32,-1995.98) 2735.32,-1842.34 v1(2691.45,-1798.46) ; v1(3008.35,1346.34) 3008.35,1287.01 3008.29,1286.96 3008.29,1269.14 3008.35,1269.09 3008.35,1176.78 3022.35,1162.78 3022.35,835.5 3047.11,810.73 C78.13.1@3147.79,810.73 ; v1(3027.88,754.5) 3027.88,772.13 3063.43,807.68 C76.13.1@3066.72,807.68 ; v1(3146.38,-1708.46) 3146.38,-1844.96 v1(3076.07,-1915.28) 3201.38,-2040.59 v1(3201.38,-2138.46) ; v1(3266.24,871.17) 3266.24,1064.75 3315.95,1114.46 3324.18,1114.46 3435.79,1226.07 v1@3435.79,1402.05 ; v1(3411.38,-2178.46) 3522.72,-2067.12 v1(3522.72,-1995.98) 3522.72,-1842.34 v1(3478.85,-1798.46) ; v1(3598.02,1353.81) 3589,1344.79 3589,1193.28 3612.02,1170.25 3612.02,842.97 3636.79,818.21 C78.14.1@3737.47,818.21 ; v1(3617.55,761.97) 3617.55,779.61 3653.1,815.16 C76.14.1@3656.39,815.16 ; v1(3855.91,878.65) 3855.91,1072.22 3905.62,1121.93 3913.85,1121.93 4025.47,1233.54 v1@4025.47,1409.53 ; v1(3933.78,-1708.46) 3933.78,-1844.96 v1(3863.47,-1915.28) 3988.78,-2040.59 v1(3988.78,-2138.46) ; v1(4198.78,-2178.46) 4310.13,-2067.12 v1(4310.13,-1995.98) 4310.13,-1842.34 v1(4266.25,-1798.46) ; v1(4268.19,1346.34) 4258,1336.14 4258,1186.97 4282.19,1162.78 4282.19,835.5 4306.96,810.73 C78.15.1@4407.64,810.73 ; v1(4287.72,754.5) 4287.72,772.13 4323.27,807.68 C76.15.1@4326.56,807.68 ; v1(4526.08,871.17) 4526.08,1064.75 4575.79,1114.46 4584.02,1114.46 4695.64,1226.07 v1@4695.64,1402.05 ; v1(4769,-1706.38) 4769,-1842.88 v1(4698.69,-1913.2) 4824,-2038.51 v1(4824,-2136.38) ; v1(4857.87,1353.81) 4857.87,1301.56 4852.81,1296.5 4852.81,1274.55 4857.87,1269.49 4857.87,1184.25 4871.87,1170.25 4871.87,842.97 4896.63,818.21 C78.16.1@4997.31,818.21 ; v1(4877.39,761.97) 4877.39,779.61 4912.94,815.16 C76.16.1@4916.23,815.16 ; v1(5034,-2176.38) 5145.34,-2065.03 v1(5145.34,-1993.9) 5145.34,-1840.25 v1(5101.47,-1796.38) ; v1(5116.35,881.59) 5116.35,1071.63 5115.75,1072.22 5165.46,1121.93 5173.7,1121.93 5285.31,1233.54 v1@5285.31,1409.53
  other v1: -4087,1397.91 -2863.42,1403.05 -1603.58,1403.05 -343.73,1403.05 916.11,1403.05 2175.95,1403.05 3435.79,1403.05 4695.64,1403.05 -3497.33,1405.39 -2272.39,1408.64 -1013.9,1410.53 245.94,1410.53 1505.78,1410.53 2765.62,1410.53 4025.47,1410.53 5285.31,1410.53
+3V3: C1.1 C2.1 C39.1.1 C39.2.1 C40.1.1 C40.2.1 C41.1.1 C41.2.1 C43.+ C45.+ C47.1 C49.1 C51.+ C53.+ C55.1 C57.1 C93.+ C94.+ C98.1 C99.1 C103.1 C104.1 C107.1 C108.1 C111.1 C112.1 C115.1 C116.1 C120.1 C123.1.1 C123.2.1 C127.1.1 C127.2.1 C131.1.1 C131.2.1 C154.1 C155.1 C156.2 C157.2 C158.2 C159.1 C160.1 L6.2 L7.1 L8.1 Q1.S R20.1 R21.1 R22.1 R29.1.1 R29.2.1 R68.1 R70.1 R109.1 R110.1 R111.1 R112.1 R113.2 R135.2 R136.2 R137.2 TP12.1 TP12.2 U1.1 U2.1 U2.4 U9.6 U9.14 U9.19 U9.29 U9.42 U9.44 U9.52 U9.67 U9.78 U9.83 U9.92 U9.105 U9.110 U9.111 U12.1.28 U12.1.33 U12.1.35 U12.1.38 U12.2.28 U12.2.33 U12.2.35 U13.16 U13.18 U13.20 U13.23 U13.24 U14.16 U14.18 U14.20 U14.21 U14.23 U14.24 U15.16 U15.18 U15.20 U15.22 U15.23 U15.24 U16.16 U16.18 U16.20 U16.21 U16.22 U16.23 U16.24 U21.3 U21.5 U22.1.3 U22.2.3 U23.1.18 U23.1.43 U23.2.17 U23.2.18 U23.2.43 U25.16 U25.34 U25.40 U27.1 U27.4 | length 3735.2
  Top Layer w8: U12.2.35@-1915.66,-610.05 -1915.66,-649.91 C41.2.1@-1862.18,-703.39 ; v1(-1862.18,-902) C39.2.1@-1862.18,-845.95 C40.2.1@-1862.18,-773.39 C41.2.1@-1862.18,-703.39 ; R29.2.1@-1695.35,-614.73 -1784,-703.39 C41.2.1@-1862.18,-703.39 ; C103.1@250,-320.51 250,-365.31 273.23,-365.31 279.09,-371.16 279.09,-402.04 U9.92@280.9,-403.85 ; C99.1@400,-322.47 400,-350.35 420.82,-371.16 420.82,-402.04 U9.83@422.63,-403.85 ; U9.78@501.37,-403.85 503.18,-402.04 503.18,-371.16 509.04,-365.31 539.91,-365.31 540,-365.22 C111.1@540,-322.47 ; C123.2.1@1511,-869.02 1469.24,-827.27 1469.24,-777.19 1496.9,-749.54 U22.2.3@1603.31,-749.54 ; U15.18@1600.03,56.79 1600.03,40.03 1590,30 1550,30 1540,40 1540,80 1556.16,96.16 U15.16@1600.03,96.16 ; U15.20@1647.47,29.03 1642.91,24.46 1642.91,10.44 1635.55,3.09 1634.3,3.09 1594.56,-36.65 1594.56,-59.52 1629.37,-94.32 1683.06,-94.32 C55.1@1730.51,-46.87 ; U15.22@1686.84,41.32 U15.22@1686.84,29.03 U15.23@1706.53,29.03 U15.24@1726.21,29.03 1730.51,24.73 C55.1@1730.51,-46.87 ; C51.+@1785.27,-204.21 1785.27,-101.63 C55.1@1730.51,-46.87 ; v1(1958.67,-639.54) C127.2.1@2009.22,-639.54 2009.22,-673.38 2026.11,-690.27 2026.11,-725.32 U23.2.43@2029.89,-729.1 ; U12.1.28@2876.74,-670.83 2880.52,-667.05 2880.52,-626.12 2896.64,-610 2949.39,-610 2971.39,-632 2971.39,-667.05 U12.1.33@2975.17,-670.83 2975.17,-634.83 2978.54,-634.83 2978.95,-635.24 2978.95,-624.41 3003.17,-624.41 3010.76,-632 3010.76,-667.05 3011.76,-668.05 3011.76,-707.91 C41.1.1@3065.24,-761.39 ; v1(3065.24,-960) C39.1.1@3065.24,-903.95 C40.1.1@3065.24,-831.39 C41.1.1@3065.24,-761.39 ; R29.1.1@3232.08,-672.73 3143.42,-761.39 C41.1.1@3065.24,-761.39 ; C123.1.1@3435.79,-889.49 3394.04,-847.73 3394.04,-797.66 3421.7,-770 U22.1.3@3528.1,-770 ; v1(3883.47,-660) C127.1.1@3934.01,-660 3934.01,-693.85 3950.9,-710.74 3950.9,-745.79 U23.1.43@3954.68,-749.57 ; v1(4106.79,101.5) 4120.42,115.13 U13.16@4156.83,115.13 ; v1(4129.84,-59.29) 4147.56,-41.57 C47.1@4201.04,-41.57 ; v1(4136.79,48) 4156.83,68.03 U13.18@4156.83,75.76 ; C43.+@4184.58,-178.03 4184.58,-58.02 C47.1@4201.04,-41.57 ; U13.20@4204.27,48 4201.04,44.77 C47.1@4201.04,-41.57 ; U13.23@4263.32,48 U13.24@4283.01,48 4283.01,40.6 v1(4316.79,6.81)
+5V5: C5.+ C6.+ C12.1 C16.1 C30.1.1 C30.2.1 C87.1 L1.2 P1.1 R7.1 TP16.1 TP16.2 U4.3 U5.3 U11.1.3 U11.2.3 U19.4 U19.5 | length 206.9
  Top Layer w8: v1(-1670.81,-199.83) C30.2.1@-1670.81,-96.37 ; v1(3256.61,-257.83) C30.1.1@3256.61,-154.37